# Allegro board 6089-103-RevA_73.brd (continued)
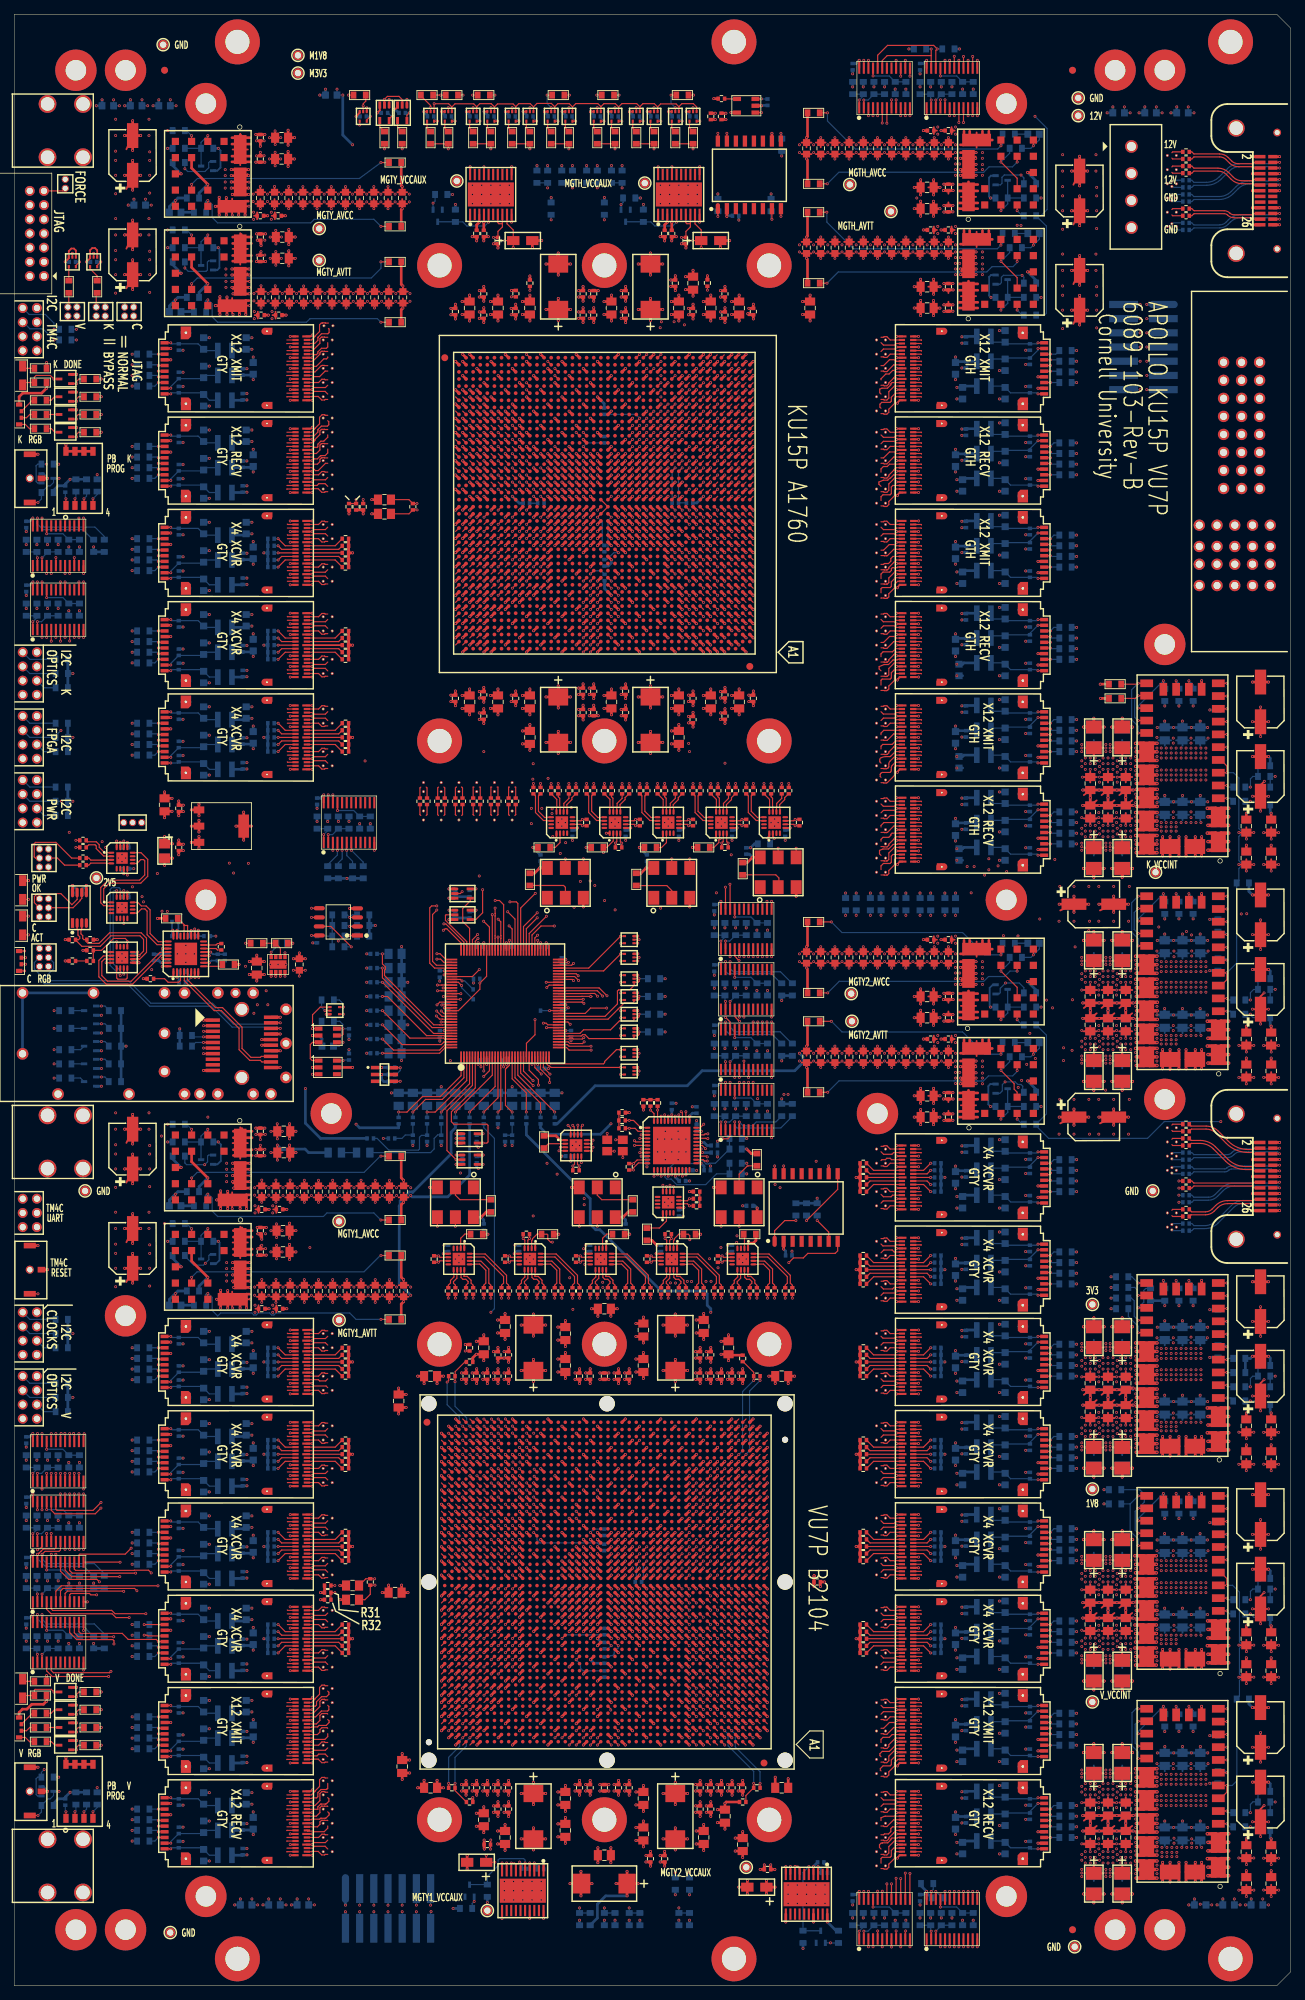
[diagram p0: board, top side]
## Routing (per net, layer and track width the routed paths; a pad name or vN(x,y) marks a point on that pad's centre or on a via; arc(x,y) is an arc through that point) (continued)
NV_FF11_RECV0: length 34.3
  TOP w0.165: U117.A17 124.32,26.4 124.11,26.18 122.54,26.18 122.2,26.52 ; U66.N3 104.16,45.95
  SIG2 w0.083: 104.16,45.95 103.85,45.95 103.77,46.03 103.77,46.18 arc(103.78,46.21) 103.8,46.24 103.82,46.27 arc(103.86,46.29) 103.9,46.3 103.9,46.3 106.07,46.3 arc(106.51,46.21) 106.88,45.97 117.58,35.27 arc(118.48,33.91) 118.8,32.32 118.8,29.15 arc(118.88,28.76) 119.1,28.42 119.36,28.16 arc(119.39,28.1) 119.36,28.04 arc(119.34,27.98) 119.36,27.92 119.48,27.8 arc(119.54,27.78) 119.6,27.8 arc(119.66,27.83) 119.72,27.8 119.83,27.69 arc(119.86,27.63) 119.83,27.57 arc(119.81,27.51) 119.83,27.45 119.95,27.34 arc(120.01,27.31) 120.07,27.34 arc(120.12,27.36) 120.18,27.34 120.64,26.89 arc(120.76,26.8) 120.91,26.77 121.03,26.77 121.1,26.72 121.22,26.6 arc(121.31,26.54) 121.42,26.52 122.2,26.52
NV_FF11_RECV1: length 33.8
  TOP w0.165: 127.9,26.35 127.85,26.4 U117.B17 ; U66.M1 106.17,44.93
  SIG4 w0.083: 106.17,44.93 105.85,44.93 105.77,45.01 105.77,45.12 arc(105.78,45.16) 105.8,45.2 105.82,45.23 arc(105.85,45.24) 105.88,45.25 106.34,45.25 arc(106.61,45.19) 106.85,45.04 117.46,34.42 arc(117.82,33.89) 117.94,33.26 117.94,32.23 arc(118.02,31.82) 118.25,31.48 119.03,30.7 arc(119.06,30.63) 119.03,30.57 arc(119.01,30.51) 119.03,30.44 119.14,30.34 arc(119.2,30.31) 119.27,30.34 119.27,30.34 arc(119.33,30.36) 119.39,30.34 119.5,30.23 arc(119.53,30.17) 119.5,30.1 arc(119.47,30.04) 119.5,29.98 119.6,29.87 arc(119.67,29.84) 119.73,29.87 arc(119.8,29.9) 119.86,29.87 120.67,29.06 arc(120.94,28.88) 121.24,28.82 123.96,28.82 arc(124.42,28.73) 124.82,28.46 126.4,26.89 arc(126.79,26.62) 127.25,26.53 127.72,26.53 127.9,26.35
NV_FF11_RECV2: length 34.2
  TOP w0.165: U66.L3 104.16,43.94 ; 122.2,24.52 122.56,24.52 122.64,24.44 123.03,24.44 123.49,24.9 U117.A14
  SIG2 w0.083: 104.16,43.94 103.85,43.94 103.77,44.02 103.77,44.17 arc(103.8,44.25) 103.88,44.28 105.01,44.28 105.01,44.28 105.3,44.28 105.3,44.28 106.02,44.28 106.03,44.28 106.29,44.28 arc(106.32,44.28) 106.35,44.28 arc(106.71,44.2) 107.02,43.98 116.45,34.56 arc(117,33.73) 117.19,32.76 117.19,29.91 arc(117.48,28.48) 118.29,27.26 118.92,26.63 arc(118.94,26.58) 118.92,26.53 arc(118.9,26.48) 118.92,26.43 119.05,26.3 arc(119.1,26.28) 119.15,26.3 arc(119.2,26.32) 119.25,26.3 119.38,26.17 arc(119.4,26.12) 119.38,26.07 arc(119.36,26.02) 119.38,25.97 119.52,25.83 arc(119.57,25.81) 119.62,25.83 arc(119.67,25.85) 119.72,25.83 120.65,24.9 arc(120.75,24.83) 120.87,24.81 120.92,24.81 arc(121.09,24.77) 121.24,24.67 121.31,24.6 arc(121.41,24.54) 121.52,24.52 122.2,24.52
NV_FF11_RECV3: length 33.3
  TOP w0.165: U117.B14 127.85,24.9 127.9,24.85 ; U66.K1 106.17,42.95
  SIG4 w0.083: 127.9,24.85 127.74,25.01 126.9,25.01 arc(126.51,25.09) 126.17,25.32 124.96,26.52 arc(124.8,26.63) 124.61,26.67 124.42,26.67 arc(124.2,26.71) 124.01,26.84 123.16,27.69 arc(122.97,27.81) 122.76,27.86 120.79,27.86 arc(120.39,27.93) 120.06,28.16 119.11,29.11 arc(119.04,29.13) 118.98,29.11 arc(118.92,29.08) 118.86,29.11 118.75,29.22 arc(118.72,29.28) 118.75,29.34 arc(118.77,29.4) 118.75,29.47 118.64,29.58 arc(118.58,29.6) 118.52,29.58 arc(118.45,29.55) 118.39,29.58 118.28,29.69 arc(118.26,29.75) 118.28,29.81 arc(118.31,29.87) 118.28,29.93 116.99,31.22 arc(116.78,31.55) 116.7,31.93 116.7,32.56 arc(116.6,33.08) 116.3,33.52 106.69,43.13 arc(106.54,43.23) 106.36,43.27 105.88,43.27 arc(105.85,43.26) 105.82,43.24 105.8,43.22 arc(105.77,43.18) 105.77,43.14 105.77,43.1 arc(105.78,43.04) 105.82,42.98 105.85,42.95 106.17,42.95
NV_FF11_RECV4: length 34.6
  TOP w0.165: U66.J3 104.16,41.93 ; U117.A11 123.99,23.4 123.03,22.44 122.64,22.44 122.56,22.52 122.2,22.52
  SIG2 w0.083: 122.2,22.52 121.35,22.52 arc(121.24,22.54) 121.15,22.6 121.04,22.71 arc(121,22.74) 120.94,22.75 120.65,22.75 arc(120.37,22.8) 120.14,22.96 119.16,23.94 arc(119.1,23.96) 119.05,23.94 arc(118.99,23.92) 118.94,23.94 118.81,24.06 arc(118.79,24.12) 118.81,24.18 arc(118.84,24.23) 118.81,24.29 118.69,24.41 arc(118.64,24.43) 118.58,24.41 arc(118.52,24.39) 118.47,24.41 118.35,24.53 arc(118.32,24.59) 118.35,24.64 118.35,24.64 arc(118.37,24.7) 118.35,24.75 117.17,25.93 arc(116.42,27.06) 116.15,28.39 116.15,31.09 arc(115.85,32.59) 115,33.86 106.68,42.18 arc(106.58,42.25) 106.45,42.28 106.31,42.28 103.89,42.28 arc(103.86,42.27) 103.83,42.25 103.8,42.22 arc(103.78,42.19) 103.77,42.16 103.77,42.01 103.85,41.93 104.16,41.93
NV_FF11_RECV5: length 32.9
  TOP w0.165: 127.9,23.35 127.85,23.4 U117.B11 ; U66.H1 106.17,40.94
  SIG4 w0.083: 106.17,40.94 105.85,40.94 105.79,41 arc(105.77,41.03) 105.77,41.06 105.77,41.19 arc(105.77,41.23) 105.8,41.26 105.82,41.28 arc(105.85,41.31) 105.89,41.32 106.19,41.32 arc(106.34,41.29) 106.46,41.21 115.35,32.31 arc(115.46,32.15) 115.5,31.95 115.5,31.39 arc(115.56,31.08) 115.74,30.81 118.1,28.45 arc(118.13,28.39) 118.1,28.33 arc(118.08,28.27) 118.1,28.21 118.21,28.1 arc(118.27,28.07) 118.33,28.1 arc(118.39,28.12) 118.45,28.1 118.57,27.98 arc(118.59,27.92) 118.57,27.86 arc(118.54,27.8) 118.57,27.74 118.68,27.63 arc(118.74,27.6) 118.8,27.63 arc(118.86,27.65) 118.92,27.63 120.56,25.99 arc(120.84,25.8) 121.18,25.73 123.7,25.73 arc(123.76,25.72) 123.82,25.68 124,25.51 arc(124.18,25.39) 124.39,25.34 124.91,25.34 arc(125.06,25.31) 125.19,25.23 126.47,23.95 arc(126.95,23.63) 127.53,23.52 127.73,23.52 127.9,23.35
NV_FF11_RECV6: length 35.2
  TOP w0.165: 122.2,20.52 122.56,20.52 122.64,20.44 123.03,20.44 123.3,20.71 123.3,20.85 124,21.55 124,21.56 124.23,21.79 124.24,21.79 124.35,21.9 U117.A8 ; U66.G3 104.16,39.93
  SIG2 w0.083: 104.16,39.93 103.85,39.93 103.77,40.01 103.77,40.17 arc(103.78,40.21) 103.8,40.24 103.87,40.31 arc(103.9,40.33) 103.94,40.34 106.53,40.34 arc(106.71,40.3) 106.87,40.2 113.4,33.67 arc(114.58,31.91) 114.99,29.83 114.99,26.93 arc(115.17,26) 115.7,25.21 117.86,23.05 arc(117.89,22.99) 117.86,22.93 arc(117.84,22.87) 117.86,22.81 117.97,22.7 arc(118.03,22.67) 118.09,22.7 arc(118.15,22.72) 118.22,22.7 118.33,22.59 arc(118.35,22.52) 118.33,22.46 arc(118.3,22.4) 118.33,22.34 118.44,22.23 arc(118.5,22.21) 118.56,22.23 arc(118.62,22.26) 118.68,22.23 119.84,21.07 arc(120.2,20.83) 120.62,20.75 120.85,20.75 arc(120.89,20.75) 120.93,20.74 arc(121.01,20.71) 121.08,20.67 arc(121.25,20.56) 121.45,20.52 122.2,20.52
NV_FF11_RECV7: length 32.6
  TOP w0.165: U66.F1 106.17,38.93 ; U117.B8 127.85,21.9 127.9,21.85
  SIG4 w0.083: 106.17,38.93 105.85,38.93 105.8,38.99 arc(105.77,39.02) 105.77,39.06 105.77,39.18 105.83,39.33 105.88,39.35 105.89,39.35 105.89,39.33 105.92,39.35 106.29,39.35 106.39,39.31 114.03,31.67 arc(114.16,31.48) 114.2,31.26 114.2,30.98 arc(114.25,30.73) 114.39,30.53 117.35,27.56 arc(117.37,27.51) 117.35,27.45 arc(117.33,27.39) 117.35,27.33 117.47,27.21 arc(117.53,27.19) 117.58,27.21 arc(117.64,27.24) 117.7,27.21 117.82,27.1 arc(117.84,27.04) 117.82,26.98 arc(117.79,26.92) 117.82,26.87 117.94,26.75 arc(117.99,26.72) 118.05,26.75 arc(118.11,26.77) 118.17,26.75 120.84,24.07 arc(121.13,23.88) 121.48,23.81 124.73,23.81 arc(124.97,23.76) 125.18,23.62 126.37,22.43 arc(126.84,22.12) 127.38,22.01 127.74,22.01 127.9,21.85
NV_FF11_RECV8: length 35.8
  TOP w0.165: U117.A5 124.08,20.4 123.3,19.62 123.3,18.71 123.03,18.44 122.64,18.44 122.56,18.52 122.2,18.52 ; U66.E3 104.16,37.94
  SIG2 w0.083: 122.2,18.52 122.18,18.5 121.46,18.5 arc(121.35,18.52) 121.26,18.58 121.16,18.68 arc(121.07,18.74) 120.96,18.76 120.66,18.76 arc(120.47,18.8) 120.3,18.91 117.66,21.55 arc(117.61,21.58) 117.56,21.55 arc(117.51,21.53) 117.46,21.55 117.32,21.69 arc(117.3,21.74) 117.32,21.79 arc(117.34,21.84) 117.32,21.89 117.19,22.02 arc(117.14,22.04) 117.09,22.02 arc(117.04,22) 116.99,22.02 116.86,22.16 arc(116.84,22.21) 116.86,22.26 arc(116.88,22.31) 116.86,22.36 114.39,24.82 arc(113.77,25.75) 113.55,26.86 113.55,30.29 arc(113.31,31.49) 112.63,32.5 107.05,38.09 arc(106.72,38.3) 106.34,38.38 105.17,38.38 105.17,38.38 104.02,38.38 arc(103.85,38.31) 103.77,38.14 arc(103.77,38.1) 103.76,38.05 arc(103.76,37.99) 103.8,37.95 arc(103.85,37.94) 103.9,37.94 104.16,37.94
NV_FF11_RECV9: length 32.4
  TOP w0.165: U66.D1 106.17,36.93 ; U117.B5 127.85,20.4 127.9,20.35
  SIG4 w0.083: 127.9,20.35 127.72,20.53 126.93,20.53 arc(126.52,20.62) 126.16,20.85 125.44,21.58 arc(125.23,21.72) 124.98,21.77 121.77,21.77 arc(121.32,21.86) 120.93,22.12 117.67,25.38 arc(117.61,25.4) 117.56,25.38 arc(117.5,25.36) 117.44,25.38 117.32,25.5 arc(117.3,25.55) 117.32,25.61 arc(117.35,25.67) 117.32,25.73 117.2,25.85 arc(117.15,25.87) 117.09,25.85 arc(117.03,25.82) 116.97,25.85 116.85,25.96 arc(116.83,26.02) 116.85,26.08 arc(116.88,26.14) 116.85,26.2 113.36,29.69 arc(113.31,29.75) 113.27,29.82 arc(113.14,30.11) 113.03,30.4 arc(113.01,30.47) 113,30.54 arc(112.91,30.89) 112.7,31.19 106.74,37.15 arc(106.48,37.33) 106.17,37.39 105.88,37.39 105.85,37.38 105.77,37.19 105.77,37.06 105.77,37.04 105.77,37.02 105.83,36.94 105.89,36.93 106.17,36.93
NV_FF11_RECV10: length 36.6
  TOP w0.165: U66.C3 104.16,35.94 ; U117.A2 124.32,18.9 124.1,18.68 124.1,18.22 124.1,17.95 123.3,17.15 123.3,16.71 123.03,16.44 122.64,16.44 122.56,16.52 122.2,16.52
  SIG2 w0.083: 122.2,16.52 121.2,16.52 arc(121.09,16.54) 120.99,16.61 120.89,16.71 arc(120.85,16.74) 120.79,16.75 120.54,16.75 arc(119.96,16.87) 119.47,17.19 116.37,20.29 arc(116.32,20.31) 116.27,20.29 arc(116.22,20.27) 116.17,20.29 116.04,20.42 arc(116.02,20.47) 116.04,20.52 arc(116.06,20.57) 116.04,20.62 115.91,20.76 arc(115.86,20.78) 115.81,20.76 arc(115.76,20.73) 115.71,20.76 115.57,20.89 arc(115.55,20.94) 115.57,20.99 arc(115.59,21.04) 115.57,21.09 112.88,23.79 arc(112.48,24.38) 112.34,25.08 112.34,30.57 arc(112.24,31.09) 111.94,31.53 107.63,35.84 arc(107.14,36.17) 106.55,36.29 103.97,36.29 arc(103.89,36.28) 103.82,36.24 103.78,36.17 arc(103.77,36.15) 103.77,36.13 103.77,36.06 arc(103.77,36.04) 103.77,36.03 arc(103.79,35.97) 103.84,35.93 arc(103.87,35.93) 103.9,35.94 104.16,35.94
NV_FF11_RECV11: length 35.1
  TOP w0.165: U117.B2 127.85,18.9 127.9,18.85 ; U66.A4 103.17,33.93
  SIG4 w0.083: 103.17,33.93 102.89,33.93 arc(102.85,33.94) 102.83,33.95 102.77,34.01 102.77,34.14 arc(102.78,34.19) 102.81,34.24 102.83,34.25 arc(102.85,34.27) 102.89,34.28 108.01,34.28 arc(108.28,34.22) 108.51,34.07 111.3,31.28 arc(111.48,31.01) 111.54,30.7 111.54,29.92 arc(111.65,29.36) 111.97,28.89 115.89,24.96 arc(115.92,24.91) 115.89,24.86 arc(115.87,24.8) 115.89,24.75 116.02,24.62 arc(116.08,24.6) 116.13,24.62 arc(116.18,24.64) 116.23,24.62 116.36,24.49 arc(116.38,24.44) 116.36,24.39 116.36,24.39 arc(116.34,24.34) 116.36,24.28 116.49,24.16 arc(116.54,24.13) 116.59,24.16 arc(116.65,24.18) 116.7,24.16 120.81,20.05 arc(121.05,19.88) 121.34,19.82 123.36,19.82 arc(123.66,19.77) 123.9,19.6 124.25,19.25 arc(124.52,19.07) 124.84,19.01 127.74,19.01 127.9,18.85
NV_FF11_XMIT0: length 34.8
  TOP w0.165: 127.9,39.35 127.85,39.4 U116.B17 ; U66.N8 99.16,45.95
  SIG3 w0.083: 99.16,45.95 98.85,45.95 98.77,46.03 arc(98.77,46.03) 98.77,46.03 arc(98.77,46.04) 98.77,46.06 98.77,46.26 arc(98.77,46.29) 98.79,46.32 98.83,46.36 arc(98.85,46.37) 98.88,46.38 116.65,46.38 arc(117.53,46.2) 118.29,45.7 120.19,43.8 arc(120.21,43.74) 120.19,43.69 arc(120.17,43.64) 120.19,43.59 120.32,43.46 arc(120.37,43.44) 120.42,43.46 arc(120.48,43.48) 120.53,43.46 120.66,43.33 arc(120.68,43.28) 120.66,43.23 arc(120.64,43.17) 120.66,43.12 120.79,42.99 arc(120.84,42.97) 120.89,42.99 arc(120.94,43.01) 121,42.99 124.29,39.7 arc(124.5,39.56) 124.74,39.51 127.48,39.51 arc(127.67,39.48) 127.84,39.38 127.85,39.37 arc(127.87,39.36) 127.9,39.35
NV_FF11_XMIT1: length 28.6
  TOP w0.165: 122.2,39.52 122.52,39.2 124.13,39.2 124.32,39.4 U116.A17 ; U66.M6 101.17,44.93
  SIG1 w0.083: 122.2,39.52 121.38,39.52 arc(121.24,39.55) 121.12,39.63 121.08,39.67 arc(120.99,39.73) 120.89,39.75 120.7,39.75 arc(120.31,39.83) 119.99,40.04 114.98,45.05 arc(114.63,45.29) 114.21,45.37 109.54,45.37 arc(109.48,45.35) 109.46,45.29 arc(109.43,45.23) 109.38,45.21 109.21,45.21 arc(109.15,45.23) 109.13,45.29 arc(109.1,45.35) 109.05,45.37 108.88,45.37 arc(108.82,45.35) 108.8,45.29 arc(108.77,45.23) 108.72,45.21 108.55,45.21 arc(108.49,45.23) 108.47,45.29 arc(108.44,45.35) 108.39,45.37 100.98,45.37 arc(100.84,45.31) 100.77,45.16 100.77,45.01 arc(100.8,44.95) 100.86,44.93 101.17,44.93
NV_FF11_XMIT2: length 34.5
  TOP w0.165: U116.B14 127.85,37.9 127.9,37.85 ; U66.L8 99.16,43.94
  SIG3 w0.083: 99.16,43.94 98.88,43.94 arc(98.85,43.94) 98.83,43.96 98.77,44.02 arc(98.77,44.02) 98.77,44.02 arc(98.77,44.04) 98.77,44.06 98.77,44.22 98.84,44.33 arc(98.86,44.35) 98.88,44.35 113.6,44.35 arc(114.52,44.17) 115.31,43.64 117.65,41.3 117.98,40.97 arc(118,40.92) 117.98,40.86 arc(117.96,40.81) 117.98,40.75 118.11,40.63 arc(118.16,40.61) 118.21,40.63 arc(118.27,40.65) 118.32,40.63 118.45,40.5 arc(118.47,40.45) 118.45,40.39 arc(118.42,40.34) 118.45,40.29 118.57,40.16 arc(118.63,40.14) 118.68,40.16 arc(118.73,40.18) 118.79,40.16 119.69,39.26 arc(120.09,38.99) 120.56,38.9 122.82,38.9 arc(122.99,38.87) 123.13,38.77 123.68,38.22 arc(123.91,38.07) 124.18,38.01 127.53,38.01 arc(127.72,37.97) 127.89,37.86 127.9,37.85
NV_FF11_XMIT3: length 28.4
  TOP w0.165: U116.A14 123.49,37.9 123.03,37.44 122.64,37.44 122.56,37.52 122.2,37.52 ; U66.K6 101.17,42.95
  SIG1 w0.083: 101.17,42.95 100.86,42.95 arc(100.8,42.97) 100.77,43.03 100.77,43.21 arc(100.94,43.31) 101.12,43.35 108.76,43.35 arc(108.81,43.33) 108.83,43.28 arc(108.85,43.23) 108.9,43.2 109.09,43.2 arc(109.14,43.23) 109.16,43.28 arc(109.18,43.33) 109.23,43.35 109.42,43.35 arc(109.47,43.33) 109.49,43.28 arc(109.51,43.23) 109.56,43.2 109.75,43.2 arc(109.8,43.23) 109.82,43.28 arc(109.84,43.33) 109.89,43.35 112.84,43.35 arc(113.06,43.33) 113.28,43.3 113.28,43.29 arc(113.29,43.29) 113.29,43.29 114.15,43.09 arc(114.52,42.94) 114.84,42.7 119.32,38.22 arc(119.8,37.9) 120.37,37.79 120.9,37.79 arc(121.01,37.76) 121.1,37.7 121.14,37.67 arc(121.3,37.56) 121.5,37.52 122.2,37.52
NV_FF11_XMIT4: length 34.1
  TOP w0.165: 127.9,36.35 127.85,36.4 U116.B11 ; U66.J8 99.16,41.93
  SIG3 w0.083: 99.16,41.93 98.88,41.93 arc(98.85,41.94) 98.83,41.96 98.78,42 arc(98.76,42.04) 98.76,42.09 98.83,42.25 98.89,42.28 113.13,42.28 arc(114.28,42.05) 115.25,41.4 117.22,39.43 arc(117.24,39.38) 117.22,39.33 arc(117.2,39.28) 117.22,39.23 117.36,39.1 arc(117.41,39.08) 117.46,39.1 arc(117.51,39.12) 117.55,39.1 117.69,38.96 arc(117.71,38.91) 117.69,38.86 arc(117.67,38.82) 117.69,38.77 117.83,38.63 arc(117.88,38.61) 117.92,38.63 arc(117.97,38.65) 118.02,38.63 119.45,37.2 arc(119.83,36.94) 120.28,36.85 122.08,36.85 arc(122.31,36.83) 122.54,36.77 122.77,36.69 122.84,36.64 122.86,36.63 123.09,36.53 arc(123.16,36.52) 123.24,36.51 127.4,36.51 arc(127.44,36.5) 127.48,36.48 127.49,36.46 arc(127.62,36.38) 127.77,36.35 127.9,36.35
NV_FF11_XMIT5: length 28.5
  TOP w0.165: U116.A11 123.99,36.4 123.03,35.44 122.64,35.44 122.56,35.52 122.2,35.52 ; U66.H6 101.17,40.94
  SIG1 w0.083: 101.17,40.94 100.86,40.94 100.77,41.02 100.77,41.07 arc(100.79,41.13) 100.83,41.19 100.87,41.24 arc(101.03,41.34) 101.21,41.38 108.9,41.38 arc(108.94,41.36) 108.96,41.32 arc(108.98,41.27) 109.02,41.25 109.23,41.25 arc(109.27,41.27) 109.29,41.32 arc(109.31,41.36) 109.35,41.38 109.56,41.38 arc(109.6,41.36) 109.62,41.32 arc(109.64,41.27) 109.68,41.25 109.89,41.25 arc(109.93,41.27) 109.95,41.32 arc(109.97,41.36) 110.01,41.38 112.96,41.38 arc(114.26,41.12) 115.36,40.38 119.48,36.26 arc(119.97,35.93) 120.55,35.82 120.92,35.82 arc(121.04,35.79) 121.14,35.73 121.18,35.68 arc(121.37,35.56) 121.58,35.52 122.2,35.52
NV_FF11_XMIT6: length 34.4
  TOP w0.165: U66.G8 99.16,39.93 ; 127.9,34.85 127.85,34.9 U116.B8
  SIG3 w0.083: 99.16,39.93 98.85,39.93 arc(98.79,39.95) 98.77,40.01 98.77,40.24 arc(98.79,40.29) 98.85,40.32 113.89,40.32 arc(113.93,40.31) 113.96,40.29 116.52,37.73 arc(116.54,37.67) 116.52,37.62 arc(116.5,37.56) 116.52,37.51 116.64,37.39 arc(116.7,37.36) 116.75,37.39 arc(116.81,37.41) 116.86,37.39 116.99,37.26 arc(117.01,37.21) 116.99,37.15 arc(116.96,37.1) 116.99,37.04 117.11,36.92 arc(117.17,36.9) 117.22,36.92 arc(117.28,36.94) 117.33,36.92 119.35,34.9 arc(119.45,34.84) 119.57,34.81 122.12,34.81 arc(122.19,34.82) 122.26,34.84 arc(122.34,34.86) 122.42,34.9 arc(122.47,34.93) 122.52,34.96 arc(122.59,35) 122.67,35.01 127.4,35.01 arc(127.44,35) 127.48,34.98 arc(127.6,34.9) 127.74,34.86 arc(127.78,34.85) 127.82,34.85 127.9,34.85
NV_FF11_XMIT7: length 28.8
  TOP w0.165: U116.A8 124.35,34.9 124.24,34.79 124.12,34.79 123.3,33.97 123.3,33.71 123.03,33.44 122.64,33.44 122.56,33.52 122.2,33.52 ; U66.F6 101.17,38.93
  SIG1 w0.083: 101.17,38.93 100.86,38.93 100.8,38.99 arc(100.78,39.02) 100.77,39.05 100.77,39.16 arc(100.78,39.2) 100.8,39.22 100.82,39.25 arc(100.86,39.27) 100.91,39.28 111.83,39.28 arc(113.3,38.99) 114.55,38.15 116.56,36.14 arc(116.57,36.11) 116.56,36.08 arc(116.54,36.04) 116.56,36.01 116.72,35.84 arc(116.76,35.83) 116.79,35.84 arc(116.82,35.86) 116.86,35.84 117.02,35.68 arc(117.04,35.64) 117.02,35.61 arc(116.99,35.53) 117.02,35.45 117.1,35.37 arc(117.18,35.34) 117.26,35.37 arc(117.29,35.39) 117.33,35.37 118.33,34.37 arc(119.03,33.9) 119.86,33.74 120.97,33.74 arc(121.03,33.73) 121.07,33.7 121.11,33.66 arc(121.26,33.56) 121.45,33.52 122.2,33.52
NV_FF11_XMIT8: length 34.4
  TOP w0.165: U66.E8 99.16,37.94 ; U116.B5 127.85,33.4 127.9,33.35
  SIG3 w0.083: 127.9,33.35 127.72,33.35 arc(127.62,33.37) 127.53,33.43 127.48,33.48 arc(127.44,33.5) 127.4,33.51 124.39,33.51 arc(123.78,33.42) 123.23,33.15 arc(122.75,32.9) 122.24,32.76 arc(122.18,32.75) 122.12,32.75 119.93,32.75 arc(118.79,32.98) 117.83,33.62 116.32,35.13 arc(116.26,35.15) 116.21,35.13 arc(116.15,35.11) 116.09,35.13 115.97,35.25 arc(115.95,35.31) 115.97,35.36 arc(116,35.42) 115.97,35.48 115.85,35.6 arc(115.8,35.62) 115.74,35.6 arc(115.68,35.57) 115.62,35.6 115.51,35.72 arc(115.48,35.77) 115.51,35.83 arc(115.53,35.89) 115.51,35.94 113.84,37.61 arc(112.99,38.18) 111.98,38.38 98.88,38.38 arc(98.85,38.37) 98.83,38.35 98.81,38.34 arc(98.78,38.29) 98.77,38.23 98.77,38.06 arc(98.77,38.04) 98.77,38.03 arc(98.77,38.03) 98.77,38.03 98.83,37.97 arc(98.85,37.95) 98.88,37.94 99.16,37.94
NV_FF11_XMIT9: length 29.5
  TOP w0.165: U66.D6 101.17,36.93 ; U116.A5 124.34,33.4 123.3,32.36 123.3,31.71 123.03,31.44 122.64,31.44 122.56,31.52 122.2,31.52
  SIG1 w0.083: 122.2,31.52 121.37,31.52 arc(121.2,31.56) 121.05,31.65 arc(120.94,31.72) 120.81,31.75 119.58,31.75 arc(118.93,31.88) 118.39,32.25 116.87,33.76 arc(116.83,33.78) 116.8,33.76 arc(116.72,33.73) 116.64,33.76 116.56,33.84 arc(116.53,33.92) 116.56,34 arc(116.58,34.03) 116.56,34.07 116.4,34.23 arc(116.37,34.24) 116.33,34.23 arc(116.29,34.21) 116.26,34.23 116.1,34.39 arc(116.08,34.43) 116.1,34.46 arc(116.11,34.5) 116.1,34.53 114.37,36.26 arc(113.12,37.09) 111.64,37.39 100.9,37.39 arc(100.82,37.36) 100.79,37.28 100.79,37.2 arc(100.78,37.13) 100.77,37.06 arc(100.77,37.04) 100.76,37.02 arc(100.78,37.03) 100.79,37.01 arc(100.81,36.95) 100.87,36.93 101.17,36.93
NV_FF11_XMIT10: length 34.6
  TOP w0.165: U116.B2 127.85,31.9 127.9,31.85 ; U66.C8 99.16,35.94
  SIG3 w0.083: 127.9,31.85 127.85,31.85 arc(127.83,31.85) 127.82,31.85 arc(127.69,31.88) 127.57,31.93 arc(127.41,31.99) 127.23,32.01 125.22,32.01 arc(124.63,31.9) 124.14,31.58 arc(124.09,31.55) 124.05,31.51 arc(123.89,31.4) 123.72,31.3 arc(123.67,31.27) 123.62,31.24 122.99,30.98 arc(122.27,30.76) 121.53,30.69 120.19,30.69 117.54,30.9 arc(117.33,30.95) 117.15,31.06 117.09,31.11 115.26,32.94 arc(115.19,32.97) 115.13,32.94 arc(115.06,32.91) 115,32.94 114.89,33.04 arc(114.87,33.11) 114.89,33.17 arc(114.92,33.24) 114.89,33.31 114.79,33.41 arc(114.73,33.43) 114.66,33.41 114.66,33.41 arc(114.6,33.38) 114.53,33.41 114.43,33.51 arc(114.4,33.58) 114.43,33.64 114.43,33.64 arc(114.45,33.71) 114.43,33.77 112.56,35.64 arc(111.75,36.18) 110.79,36.37 98.89,36.37 arc(98.85,36.36) 98.82,36.34 98.79,36.31 arc(98.77,36.29) 98.77,36.26 98.77,36.05 arc(98.77,36.04) 98.77,36.02 arc(98.77,36.02) 98.77,36.02 98.85,35.94 99.16,35.94
NV_FF11_XMIT11: length 31.3
  TOP w0.165: U116.A2 124.58,31.9 124.1,31.42 124.1,31.22 124.1,30.95 123.3,30.15 123.3,29.71 123.03,29.44 122.64,29.44 122.56,29.52 122.2,29.52 ; U66.A8 99.16,33.93
  SIG1 w0.083: 99.16,33.93 98.85,33.93 98.77,34.01 98.77,34.19 98.85,34.28 110.21,34.28 arc(110.82,34.16) 111.34,33.81 114.41,30.74 arc(115.46,30.04) 116.68,29.8 117.62,29.8 arc(117.67,29.77) 117.69,29.73 arc(117.71,29.68) 117.76,29.66 117.95,29.66 arc(118,29.68) 118.02,29.73 arc(118.04,29.77) 118.09,29.8 118.28,29.8 arc(118.33,29.77) 118.35,29.73 arc(118.37,29.68) 118.42,29.66 118.61,29.66 arc(118.66,29.68) 118.68,29.73 arc(118.7,29.77) 118.75,29.8 120.97,29.8 arc(121.1,29.77) 121.21,29.7 121.24,29.66 arc(121.4,29.56) 121.58,29.52 122.2,29.52
NV_FF12_RECV0: length 31.8
  TOP w0.165: U30.A17 42.08,19.4 42.34,19.66 43.82,19.66 44.2,19.28 ; U66.D46 60.23,36.93
  SIG2 w0.083: 60.23,36.93 60.52,36.93 arc(60.58,36.9) 60.6,36.85 60.6,36.7 arc(60.54,36.56) 60.4,36.5 57.89,36.5 arc(57.4,36.4) 56.99,36.13 54.06,33.2 arc(53.24,31.97) 52.95,30.51 52.95,27.68 arc(52.67,26.28) 51.87,25.08 49.43,22.64 arc(49.39,22.63) 49.35,22.64 arc(49.3,22.66) 49.26,22.64 49.11,22.5 arc(49.1,22.45) 49.11,22.41 arc(49.13,22.37) 49.11,22.32 48.97,22.18 arc(48.92,22.16) 48.88,22.18 arc(48.84,22.2) 48.8,22.18 48.65,22.03 arc(48.63,21.99) 48.65,21.94 arc(48.67,21.9) 48.65,21.86 48.5,21.71 arc(48.46,21.69) 48.41,21.71 arc(48.37,21.73) 48.33,21.71 48.18,21.56 arc(48.16,21.52) 48.18,21.48 arc(48.2,21.43) 48.18,21.39 45.86,19.07 arc(45.82,19.04) 45.78,19.03 45.58,19.03 arc(45.54,19.04) 45.5,19.05 arc(45.43,19.1) 45.36,19.15 45.32,19.19 arc(45.22,19.26) 45.11,19.28 44.2,19.28
NV_FF12_RECV1: length 35.1
  TOP w0.165: U30.B17 38.45,19.4 ; U66.F46 60.23,38.93
  SIG4 w0.083: 60.23,38.93 60.66,38.93 60.71,38.88 60.71,38.79 arc(60.7,38.71) 60.66,38.65 60.58,38.57 arc(60.54,38.55) 60.5,38.54 59.54,38.54 arc(59.3,38.49) 59.11,38.36 55.39,34.64 arc(55.32,34.61) 55.26,34.64 arc(55.19,34.66) 55.13,34.64 55.02,34.53 arc(55,34.47) 55.02,34.4 arc(55.05,34.34) 55.02,34.27 53.17,32.42 arc(52.56,31.5) 52.34,30.42 52.34,28.05 arc(52.26,27.63) 52.02,27.27 45.44,20.69 arc(44.79,20.26) 44.03,20.11 43.82,20.11 arc(43.24,19.99) 42.73,19.67 arc(42.2,19.35) 41.59,19.24 38.61,19.24 38.45,19.4
NV_FF12_RECV2: length 35
  TOP w0.165: 44.2,21.28 43.84,21.28 43.76,21.36 43.37,21.36 42.91,20.9 U30.A14 ; U66.H44 62.24,40.94
  SIG2 w0.083: 62.24,40.94 62.57,40.94 62.66,40.85 62.66,40.66 arc(62.63,40.6) 62.57,40.58 59.12,40.58 arc(58.53,40.46) 58.03,40.13 52.73,34.83 arc(51.81,33.45) 51.49,31.84 51.49,28.3 arc(51.23,26.99) 50.49,25.89 48.21,23.61 arc(48.17,23.59) 48.13,23.61 arc(48.09,23.62) 48.05,23.61 47.9,23.45 arc(47.88,23.41) 47.9,23.37 arc(47.91,23.33) 47.9,23.29 47.74,23.14 arc(47.7,23.12) 47.66,23.14 arc(47.62,23.16) 47.58,23.14 47.43,22.98 arc(47.41,22.95) 47.43,22.91 arc(47.45,22.87) 47.43,22.83 45.63,21.03 arc(45.56,20.98) 45.47,20.96 45.46,20.96 arc(45.32,20.99) 45.2,21.07 45.07,21.2 arc(44.98,21.26) 44.87,21.28 44.2,21.28
NV_FF12_RECV3: length 35.9
  TOP w0.165: U30.B14 38.45,20.9 ; U66.J46 60.23,41.93
  SIG4 w0.083: 38.45,20.9 38.61,20.74 41.18,20.74 arc(41.84,20.87) 42.4,21.24 42.71,21.56 arc(43.32,21.97) 44.04,22.11 44.26,22.11 arc(44.86,22.23) 45.37,22.57 49.89,27.09 arc(50.74,28.37) 51.04,29.88 51.04,31.77 arc(51.26,32.85) 51.87,33.77 54.19,36.1 arc(54.22,36.15) 54.19,36.2 arc(54.17,36.25) 54.19,36.3 54.32,36.43 arc(54.38,36.45) 54.43,36.43 arc(54.48,36.41) 54.53,36.43 54.66,36.56 arc(54.68,36.61) 54.66,36.67 arc(54.64,36.72) 54.66,36.77 54.79,36.9 arc(54.84,36.92) 54.89,36.9 arc(54.95,36.88) 55,36.9 59.36,41.26 arc(59.63,41.44) 59.96,41.51 60.49,41.51 arc(60.53,41.52) 60.57,41.56 60.59,41.62 60.62,41.69 arc(60.63,41.73) 60.63,41.77 arc(60.62,41.84) 60.58,41.9 arc(60.55,41.92) 60.51,41.93 60.23,41.93
NV_FF12_RECV4: length 35.5
  TOP w0.165: U66.K44 62.24,42.95 ; 44.2,23.28 44.17,23.31 43.74,23.31 43.74,23.31 43.39,23.31 43.39,23.31 43.32,23.31 43.1,23.09 43.1,22.75 42.75,22.4 U30.A11
  SIG2 w0.083: 62.24,42.95 62.55,42.95 62.63,42.87 62.63,42.74 arc(62.62,42.71) 62.6,42.69 62.59,42.67 arc(62.51,42.62) 62.42,42.6 58.82,42.6 arc(58.3,42.5) 57.86,42.2 51.62,35.97 arc(50.75,34.66) 50.44,33.12 50.44,28.53 arc(50.3,27.83) 49.9,27.24 47.82,25.15 arc(47.77,25.13) 47.72,25.15 arc(47.67,25.18) 47.61,25.15 47.48,25.02 arc(47.46,24.97) 47.48,24.92 arc(47.51,24.87) 47.48,24.82 47.35,24.69 arc(47.3,24.67) 47.25,24.69 arc(47.2,24.71) 47.15,24.69 47.02,24.56 arc(47,24.51) 47.02,24.45 arc(47.04,24.4) 47.02,24.35 45.77,23.11 arc(45.67,23.04) 45.55,23.01 45.44,23.01 arc(45.29,23.04) 45.16,23.13 45.07,23.21 arc(45,23.26) 44.91,23.28 44.2,23.28
